# KiCad board IotThermalCamera.kicad_pcb (continued)
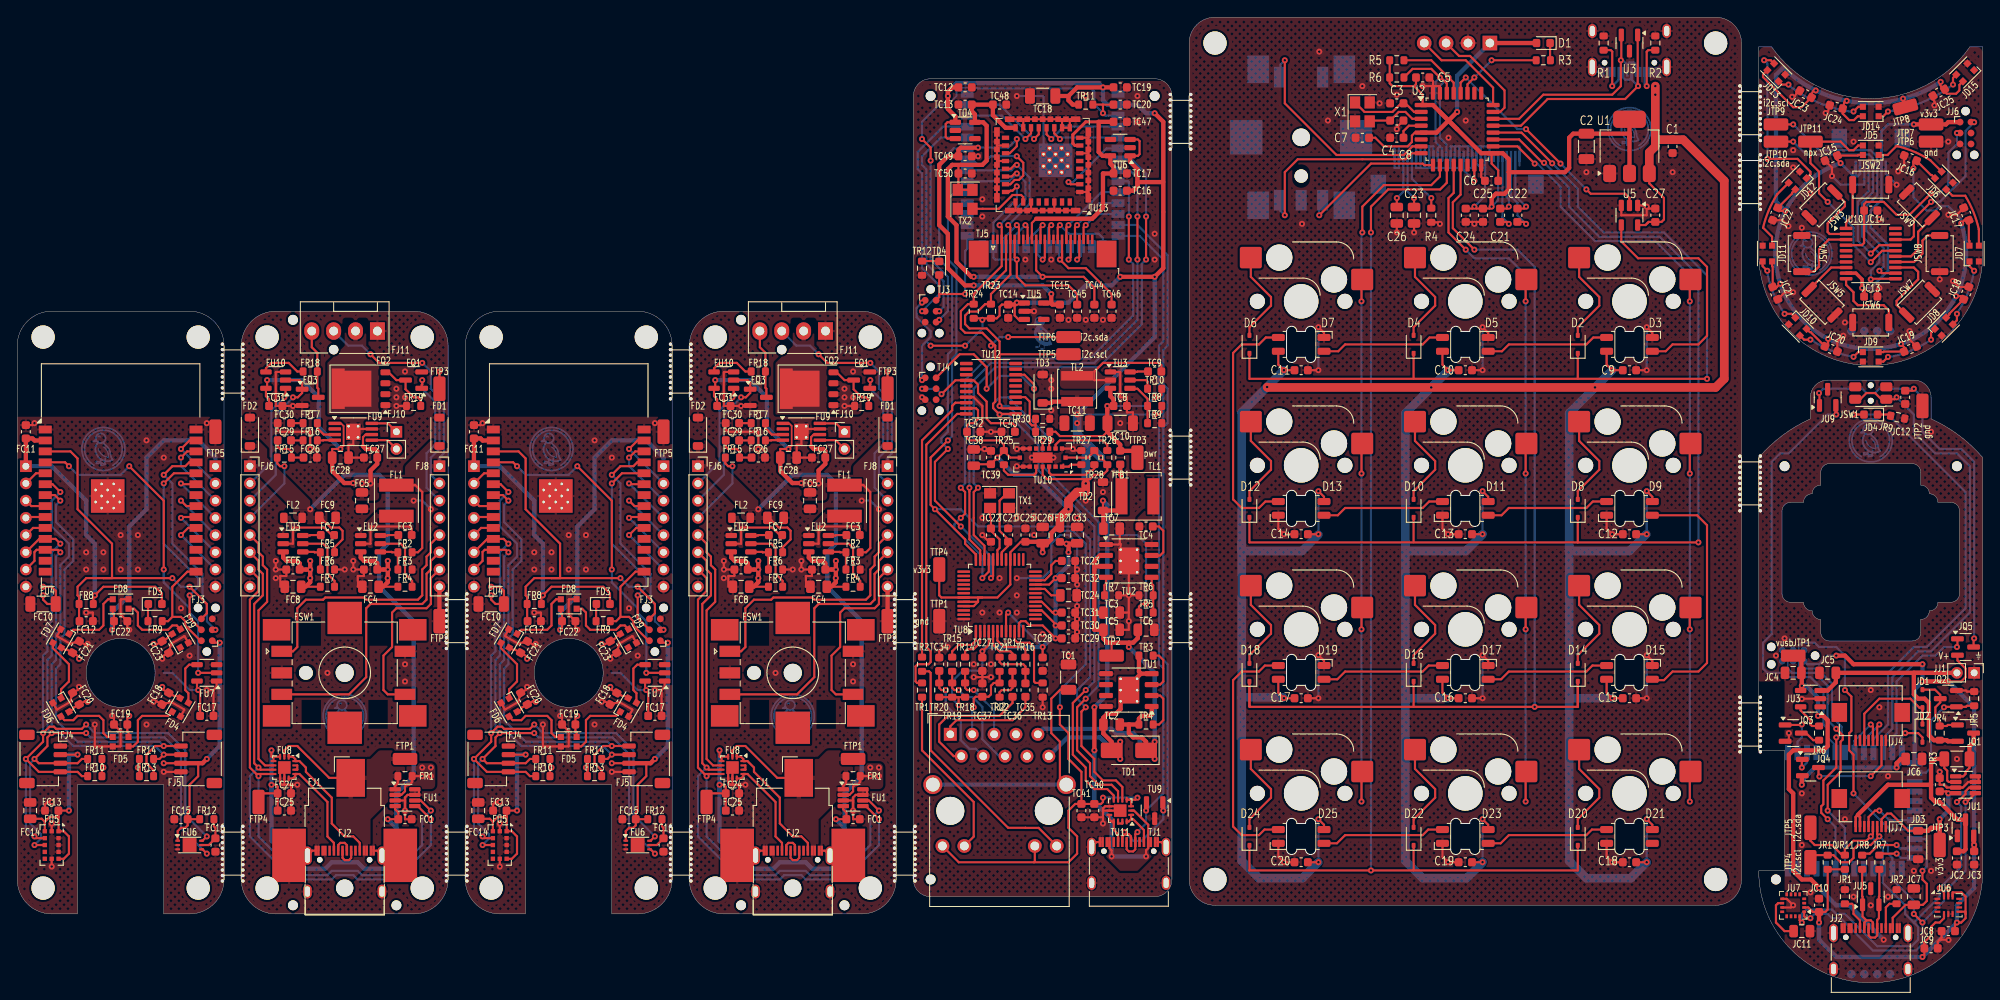
[diagram p0: board, top side]
## Footprints (pads in the part's own frame, mm; a bottom-side part is the same pattern mirrored in y, then rotated) (continued)
SOT-23-6
  rrect 1.325x0.6 smd: 1(-1.137,0.95) 2(-1.137,0) 3(-1.137,-0.95) 4(1.137,-0.95) 5(1.137,0) 6(1.137,0.95)
SOT-23-8
  rrect 1.325x0.5 smd: 1(-1.137,0.975) 2(-1.137,0.325) 3(-1.137,-0.325) 4(-1.137,-0.975) 5(1.137,-0.975) 6(1.137,-0.325) 7(1.137,0.325) 8(1.137,0.975)
SOT-223-3_TabPin2
  rrect 2x1.5 smd: 1(-3.15,2.3) 2(-3.15,0) 3(-3.15,-2.3)
  rrect 2x3.8 smd: 2(3.15,0)
ST_VL53L0X
  rect 0.5x0.5 smd: 1(-1.6,0.8) 2(-0.8,0.79) 3(0,0.8) 4(0.8,0.8) 5(1.6,0.8) 6(1.6,0) 7(1.6,-0.8) 8(0.8,-0.8) 9(0,-0.8) 10(-0.8,-0.8) 11(-1.6,-0.8) 12(-1.6,0)
ST_VL53L5x
  rect 0.2x0.6 smd: A1(-2.4,1)
  rect 0.5x0.5 smd: A1(-2.25,1.05) A2(-1.5,1.05) A3(-0.75,1.04) A4(0,1.05) A5(0.75,1.05) A6(1.5,1.05) A7(2.25,1.05) B1(-2.65,0) B7(2.65,0) C1(-2.25,-1.05) C2(-1.5,-1.05) C3(-0.75,-1.05) C4(0,-1.05) C5(0.75,-1.05) C6(1.5,-1.05) C7(2.25,-1.05)
  rect 2.316x1.2 smd: B4(0,0)
SW_Hotswap_Kailh_MX
  round 1.75 hole 1.75 unplated: (-5.08,0) (5.08,0)
  round 3.05 hole 3.05 unplated: (-3.81,2.54) (2.54,5.08)
  round 4 hole 4 unplated: (0,0)
  rrect 2.55x2.5 smd far side: 1(-7.085,2.54) 2(5.842,5.08)
SW_Push_SPST_NO_Alps_SKRK
  rrect 0.8x2 smd: 1(-2.1,0) 2(2.1,0)
SW_SPST_EVQP7C
  round 0.7 hole 0.7 unplated: (0,0.9) (0,-0.9)
  rrect 1.4x1.05 smd: 1(-1.8,0.72) 1(1.8,0.72) 2(-1.8,-0.72) 2(1.8,-0.72)
Symbol_DucklingSolid
  custom 2.401x3.952 smd: 1(0.333,1.928)
Tag-Connect_TC2030-IDC-NL_2x03_P1.27mm_Vertical
  round 0.991 hole 0.991 unplated: (-2.54,0) (2.54,1.016) (2.54,-1.016)
  round 0.787 smd: 1(-1.27,-0.635) 2(-1.27,0.635) 3(0,-0.635) 4(0,0.635) 5(1.27,-0.635) 6(1.27,0.635)
TE_2-1734839-4_1x24-1MP_P0.5mm_Horizontal
  rect 0.3x1.1 smd: 1(-5.75,1.35) 2(-5.25,1.35) 3(-4.75,1.35) 4(-4.25,1.35) 5(-3.75,1.35) 6(-3.25,1.35) 7(-2.75,1.35) 8(-2.25,1.35) 9(-1.75,1.35) 10(-1.25,1.35) 11(-0.75,1.35) 12(-0.25,1.35) 13(0.25,1.35) 14(0.75,1.35) 15(1.25,1.35) 16(1.75,1.35) 17(2.25,1.35) 18(2.75,1.35) 19(3.25,1.35) 20(3.75,1.35) 21(4.25,1.35) 22(4.75,1.35) 23(5.25,1.35) 24(5.75,1.35)
  rect 2.3x3.1 smd: MP(-7.42,-0.35) MP(7.42,-0.35)
TestPoint_TE_RCT_0805
  rrect 2.85x1.4 smd: 1(0,0)
TSSOP-20_4.4x6.5mm_P0.65mm
  rrect 1.475x0.4 smd: 1(-2.862,2.925) 2(-2.862,2.275) 3(-2.862,1.625) 4(-2.862,0.975) 5(-2.862,0.325) 6(-2.862,-0.325) 7(-2.862,-0.975) 8(-2.862,-1.625) 9(-2.862,-2.275) 10(-2.862,-2.925) 11(2.862,-2.925) 12(2.862,-2.275) 13(2.862,-1.625) 14(2.862,-0.975) 15(2.862,-0.325) 16(2.862,0.325) 17(2.862,0.975) 18(2.862,1.625) 19(2.862,2.275) 20(2.862,2.925)
USB_C_Receptacle_XKB_U262-16XN-4BVC11
  round 0.65 hole 0.65 unplated: (-2.89,2.605) (2.89,2.605)
  rect 0.3x1.15 smd: A1(-3.35,3.67) A4(-2.55,3.67) A5(-1.25,3.67) A6(-0.25,3.67) A7(0.25,3.67) A8(1.25,3.67) A9(2.55,3.67) A12(3.35,3.67) B1(3.05,3.67) B4(2.25,3.67) B5(1.75,3.67) B6(0.75,3.67) B7(-0.75,3.67) B8(-1.75,3.67) B9(-2.25,3.67) B12(-3.05,3.67)
  oval 1x2.1 hole 0.6x1.7: S1(-4.32,3.105) S1(4.32,3.105)
  oval 1x1.6 hole 0.6x1.2: S1(-4.32,-1.075) S1(4.32,-1.075)
WQFN-14-1EP_2.5x2.5mm_P0.5mm_EP1.45x1.45mm
  rrect 0.58x0.58 smd: (-0.36,0.36) (-0.36,-0.36) (0.36,0.36) (0.36,-0.36)
  rrect 0.675x0.25 smd: 1(-1.262,0.5) 2(-1.262,0) 3(-1.262,-0.5) 8(1.262,-0.5) 9(1.262,0) 10(1.262,0.5)
  rrect 0.25x0.675 smd: 4(-0.75,-1.262) 5(-0.25,-1.262) 6(0.25,-1.262) 7(0.75,-1.262) 11(0.75,1.262) 12(0.25,1.262) 13(-0.25,1.262) 14(-0.75,1.262)
  rect 1.45x1.45 smd: 15(0,0)

## Nets
enc.a: SW13.A U2.9
enc.b: SW13.B U2.8
enc.sw: SW13.S1 U2.7
Fcontrol.drv: FJ8.3 FJ8#2.3 FQ1.1 FQ1#2.1
Fcontrol.enc_a: FJ8.5 FJ8#2.5 FSW1.A FSW1#2.A
Fcontrol.enc_b: FJ8.6 FJ8#2.6 FSW1.B FSW1#2.B
Fcontrol.enc_sw: FJ8.7 FJ8#2.7 FSW1.S1 FSW1#2.S1
Fcontrol.extra1: FJ8.4 FJ8#2.4
Fcontrol.npx_en: FJ6.2 FJ6#2.2 FU10.1 FU10#2.1
Fcontrol.pd_int: FJ6.5 FJ6#2.5 FU8.5 FU8#2.5
Fcontrol.pwm: FJ6.3 FJ6#2.3 FQ3.1 FQ3#2.1 FU10.2 FU10#2.2
Fcontrol.spk: FJ6.4 FJ6#2.4 FR15.1 FR15#2.1
Fcontrol.tach: FJ8.2 FJ8#2.2 FJ11.3 FJ11#2.3
Fcontrol_control.als.ic.dvi: FC16.1 FC16#2.1 FR12.2 FR12#2.2 FU6.5 FU6#2.5
Fcontrol_control.dist.ic.gpio1: FU5.7 FU5#2.7
Fcontrol_control.drv: FJ9.3 FJ9#2.3 FU4.38 FU4#2.38
Fcontrol_control.enc_a: FJ9.5 FJ9#2.5 FU4.33 FU4#2.33
Fcontrol_control.enc_b: FJ9.6 FJ9#2.6 FU4.32 FU4#2.32
Fcontrol_control.enc_sw: FJ9.7 FJ9#2.7 FU4.31 FU4#2.31
Fcontrol_control.extra1: FJ9.4 FJ9#2.4 FU4.35 FU4#2.35
Fcontrol_control.gnd: FC10.2 FC10#2.2 FC11.2 FC11#2.2 FC12.2 FC12#2.2 FC13.2 FC13#2.2 FC14.2 FC14#2.2 FC15.2 FC15#2.2 FC16.2 FC16#2.2 FC17.2 FC17#2.2 FC18.2 FC18#2.2 FC19.2 FC19#2.2 FC20.2 FC20#2.2 FC21.2 FC21#2.2 FC22.2 FC22#2.2 FC23.2 FC23#2.2 FD4.2 FD4#2.2 FD5.2 FD5#2.2 FD6.2 FD6#2.2 FD7.2 FD7#2.2 FD8.2 FD8#2.2 FD9.2 FD9#2.2 FJ3.5 FJ3#2.5 FJ4.1 FJ4#2.1 FJ5.1 FJ5#2.1 FJ7.8 FJ7#2.8 FJ9.8 FJ9#2.8 FTP5.1 FTP5#2.1 FU4.1 FU4.40 FU4.41 FU4#2.1 FU4#2.40 FU4#2.41 FU5.2 FU5.3 FU5.4 FU5.6 FU5.12 FU5#2.2 FU5#2.3 FU5#2.4 FU5#2.6 FU5#2.12 FU6.2 FU6.3 FU6#2.2 FU6#2.3 FU7.1 FU7.3 FU7#2.1 FU7#2.3
Fcontrol_control.i2c2_pull.i2c.scl: FJ5.4 FJ5#2.4 FR13.2 FR13#2.2 FU4.7 FU4#2.7
Fcontrol_control.i2c2_pull.i2c.sda: FJ5.3 FJ5#2.3 FR14.2 FR14#2.2 FU4.6 FU4#2.6
Fcontrol_control.i2c.scl: FJ4.4 FJ4#2.4 FJ7.6 FJ7#2.6 FR10.2 FR10#2.2 FU4.11 FU4#2.11 FU5.10 FU5#2.10 FU6.6 FU6#2.6
Fcontrol_control.i2c.sda: FJ4.3 FJ4#2.3 FJ7.7 FJ7#2.7 FR11.2 FR11#2.2 FU4.12 FU4#2.12 FU5.9 FU5#2.9 FU6.4 FU6#2.4
Fcontrol_control.ledr.package.k: FD3.1 FD3#2.1 FR9.1 FR9#2.1
Fcontrol_control.mcu.program_boot_node: FJ3.2 FJ3#2.2 FR9.2 FR9#2.2 FU4.27 FU4#2.27
Fcontrol_control.mcu.program_en_node: FC12.1 FC12#2.1 FJ3.6 FJ3#2.6 FR8.2 FR8#2.2 FU4.3 FU4#2.3
Fcontrol_control.mcu.program_uart_node.a_tx: FJ3.4 FJ3#2.4 FU4.36 FU4#2.36
Fcontrol_control.mcu.program_uart_node.b_tx: FJ3.3 FJ3#2.3 FU4.37 FU4#2.37
Fcontrol_control.npx.dout: FD9.1 FD9#2.1
Fcontrol_control.npx.led[0].dout: FD4.1 FD4#2.1 FD5.3 FD5#2.3
Fcontrol_control.npx.led[1].dout: FD5.1 FD5#2.1 FD6.3 FD6#2.3
Fcontrol_control.npx.led[2].dout: FD6.1 FD6#2.1 FD7.3 FD7#2.3
Fcontrol_control.npx.led[3].dout: FD7.1 FD7#2.1 FD8.3 FD8#2.3
Fcontrol_control.npx.led[4].dout: FD8.1 FD8#2.1 FD9.3 FD9#2.3
Fcontrol_control.npx_en: FJ7.2 FJ7#2.2 FU4.5 FU4#2.5
Fcontrol_control.npx_shift.input: FU4.4 FU4#2.4 FU7.2 FU7#2.2
Fcontrol_control.npx_shift.output: FD4.3 FD4#2.3 FU7.4 FU7#2.4
Fcontrol_control.pd_int: FJ7.5 FJ7#2.5 FU4.10 FU4#2.10
Fcontrol_control.pwm: FJ7.3 FJ7#2.3 FU4.8 FU4#2.8
Fcontrol_control.spk: FJ7.4 FJ7#2.4 FU4.9 FU4#2.9
Fcontrol_control.tach: FJ9.2 FJ9#2.2 FU4.39 FU4#2.39
Fcontrol_control.v3v3: FC10.1 FC10#2.1 FC11.1 FC11#2.1 FC13.1 FC13#2.1 FC14.1 FC14#2.1 FC15.1 FC15#2.1 FD3.2 FD3#2.2 FJ3.1 FJ3#2.1 FJ4.2 FJ4#2.2 FJ5.2 FJ5#2.2 FJ7.1 FJ7#2.1 FR8.1 FR8#2.1 FR10.1 FR10#2.1 FR11.1 FR11#2.1 FR12.1 FR12#2.1 FR13.1 FR13#2.1 FR14.1 FR14#2.1 FU4.2 FU4#2.2 FU5.1 FU5.5 FU5.11 FU5#2.1 FU5#2.5 FU5#2.11 FU6.1 FU6#2.1
Fcontrol_control.v5: FC17.1 FC17#2.1 FC18.1 FC18#2.1 FC19.1 FC19#2.1 FC20.1 FC20#2.1 FC21.1 FC21#2.1 FC22.1 FC22#2.1 FC23.1 FC23#2.1 FD4.4 FD4#2.4 FD5.4 FD5#2.4 FD6.4 FD6#2.4 FD7.4 FD7#2.4 FD8.4 FD8#2.4 FD9.4 FD9#2.4 FJ9.1 FJ9#2.1 FU7.5 FU7#2.5
Ffan.pwr: FJ11.2 FJ11#2.2 FQ2.5 FQ2#2.5
Ffan_drv.pre.drain: FQ1.3 FQ1#2.3 FQ2.4 FQ2#2.4 FR19.2 FR19#2.2
Fgnd: FC1.2 FC1#2.2 FC2.2 FC2#2.2 FC4.2 FC4#2.2 FC5.2 FC5#2.2 FC6.2 FC6#2.2 FC8.2 FC8#2.2 FC9.2 FC9#2.2 FC24.2 FC24#2.2 FC25.2 FC25#2.2 FC26.2 FC26#2.2 FC27.2 FC27#2.2 FC28.2 FC28#2.2 FC30.2 FC30#2.2 FC31.2 FC31#2.2 FD1.2 FD1#2.2 FD2.2 FD2#2.2 FJ1.2 FJ1#2.2 FJ2.A1 FJ2.A12 FJ2.B1 FJ2.B12 FJ2.S1 FJ2#2.A1 FJ2#2.A12 FJ2#2.B1 FJ2#2.B12 FJ2#2.S1 FJ6.8 FJ6#2.8 FJ8.8 FJ8#2.8 FJ11.1 FJ11#2.1 FQ1.2 FQ1#2.2 FQ3.2 FQ3#2.2 FR3.2 FR3#2.2 FR6.2 FR6#2.2 FSW1.C FSW1.S2 FSW1#2.C FSW1#2.S2 FTP2.1 FTP2#2.1 FU1.3 FU1.7 FU1.8 FU1#2.3 FU1#2.7 FU1#2.8 FU2.1 FU2#2.1 FU3.1 FU3#2.1 FU8.8 FU8.9 FU8.15 FU8#2.8 FU8#2.9 FU8#2.15 FU9.7 FU9.9 FU9#2.7 FU9#2.9 FU10.3 FU10#2.3
Fnpx_res.output: FJ11.4 FJ11#2.4 FQ3.3 FQ3#2.3 FR18.2 FR18#2.2
Fnpx_shift.output: FR18.1 FR18#2.1 FU10.4 FU10#2.4
Fpd.ic.vconn: FU8.12 FU8.13 FU8#2.12 FU8#2.13
Fpwr.pwr: FJ1.1 FJ1#2.1 FJ2.A4 FJ2.A9 FJ2.B4 FJ2.B9 FJ2#2.A4 FJ2#2.A9 FJ2#2.B4 FJ2#2.B9 FR1.1 FR1#2.1 FTP1.1 FTP1#2.1 FU1.1 FU1#2.1 FU8.2 FU8#2.2
Freg_3v3.ic.boot: FC7.1 FC7#2.1 FU3.6 FU3#2.6
Freg_3v3.ic.en: FR7.2 FR7#2.2 FU3.5 FU3#2.5
Freg_3v3.ic.fb: FR5.2 FR5#2.2 FR6.1 FR6#2.1 FU3.4 FU3#2.4
Freg_3v3.ic.sw: FC7.2 FC7#2.2 FL2.1 FL2#2.1 FU3.2 FU3#2.2
Freg_5v.ic.boot: FC3.1 FC3#2.1 FU2.6 FU2#2.6
Freg_5v.ic.en: FR4.2 FR4#2.2 FU2.5 FU2#2.5
Freg_5v.ic.fb: FR2.2 FR2#2.2 FR3.1 FR3#2.1 FU2.4 FU2#2.4
Freg_5v.ic.sw: FC3.2 FC3#2.2 FL1.1 FL1#2.1 FU2.2 FU2#2.2
Fspk_dac.output: FC26.1 FC26#2.1 FC29.2 FC29#2.2 FR15.2 FR15#2.2
Fspk_drv.ic.inn: FR17.2 FR17#2.2 FU9.3 FU9#2.3
Fspk_drv.ic.inp: FR16.2 FR16#2.2 FU9.4 FU9#2.4
Fspk_drv.inn_res.input: FC30.1 FC30#2.1 FR17.1 FR17#2.1
Fspk_drv.inp_res.input: FC29.1 FC29#2.1 FR16.1 FR16#2.1
Fspk_drv.spk.a: FJ10.1 FJ10#2.1 FU9.8 FU9#2.8
Fspk_drv.spk.b: FJ10.2 FJ10#2.2 FU9.5 FU9#2.5
Fusb.cc.cc1: FJ2.A5 FJ2#2.A5 FU8.10 FU8.11 FU8#2.10 FU8#2.11
Fusb.cc.cc2: FJ2.B5 FJ2#2.B5 FU8.1 FU8.14 FU8#2.1 FU8#2.14
Fusb.usb.dm: FJ2.A7 FJ2.B7 FJ2#2.A7 FJ2#2.B7
Fusb.usb.dp: FJ2.A6 FJ2.B6 FJ2#2.A6 FJ2#2.B6
Fv3v3: FC1.1 FC1#2.1 FC9.1 FC9#2.1 FC24.1 FC24#2.1 FC25.1 FC25#2.1 FD2.1 FD2#2.1 FJ6.1 FJ6#2.1 FL2.2 FL2#2.2 FR5.1 FR5#2.1 FTP4.1 FTP4#2.1 FU1.4 FU1#2.4 FU8.3 FU8.4 FU8#2.3 FU8#2.4
Fv5: FC5.1 FC5#2.1 FC6.1 FC6#2.1 FC8.1 FC8#2.1 FC27.1 FC27#2.1 FC28.1 FC28#2.1 FC31.1 FC31#2.1 FD1.1 FD1#2.1 FJ8.1 FJ8#2.1 FL1.2 FL1#2.2 FR2.1 FR2#2.1 FR7.1 FR7#2.1 FTP3.1 FTP3#2.1 FU3.3 FU3#2.3 FU9.1 FU9.6 FU9#2.1 FU9#2.6 FU10.5 FU10#2.5
Fvin: FC2.1 FC2#2.1 FC4.1 FC4#2.1 FQ2.1 FQ2.2 FQ2.3 FQ2#2.1 FQ2#2.2 FQ2#2.3 FR1.2 FR1#2.2 FR4.1 FR4#2.1 FR19.1 FR19#2.1 FU1.2 FU1#2.2 FU2.3 FU2#2.3
Fvin_sense.i2c.scl: FJ6.6 FJ6#2.6 FU1.5 FU1#2.5 FU8.6 FU8#2.6
Fvin_sense.i2c.sda: FJ6.7 FJ6#2.7 FU1.6 FU1#2.6 FU8.7 FU8#2.7
Jbtns.io0: JJ7.5 JU4.20
Jbtns_btns.gnd: JC13.2 JC14.2 JC15.2 JC16.2 JC17.2 JC18.2 JC19.2 JC20.2 JC21.2 JC22.2 JC23.2 JC24.2 JC25.2 JD5.2 JD6.2 JD7.2 JD8.2 JD9.2 JD10.2 JD11.2 JD12.2 JD13.2 JD14.2 JD15.2 JJ6.5 JJ8.3 JJ8.8 JSW2.2 JSW3.2 JSW4.2 JSW5.2 JSW6.2 JSW7.2 JSW8.2 JSW9.2 JTP6.1 JU10.7
Jbtns_btns.i2c.scl: JJ8.6 JTP9.1 JU10.12
Jbtns_btns.i2c.sda: JJ8.5 JTP10.1 JU10.11
Jbtns_btns.io0: JJ8.4 JU10.17
Jbtns_btns.ioe.ic.nrst: JC14.1 JJ6.3 JU10.4
Jbtns_btns.ioe.ic.osc.xtal_in: JU10.5
Jbtns_btns.ioe.ic.osc.xtal_out: JU10.6
Jbtns_btns.ioe.ic.swio: JJ6.2 JU10.18
Jbtns_btns.npx_dpad.dout: JD12.1 JD13.3
Jbtns_btns.npx_dpad.led[0].dout: JD5.1 JD6.3
Jbtns_btns.npx_dpad.led[1].dout: JD6.1 JD7.3
Jbtns_btns.npx_dpad.led[2].dout: JD7.1 JD8.3
Jbtns_btns.npx_dpad.led[3].dout: JD8.1 JD9.3
Jbtns_btns.npx_dpad.led[4].dout: JD9.1 JD10.3
Jbtns_btns.npx_dpad.led[5].dout: JD10.1 JD11.3
Jbtns_btns.npx_dpad.led[6].dout: JD11.1 JD12.3
Jbtns_btns.npx_js.dout: JD15.1
Jbtns_btns.npx_js.led[0].dout: JD13.1 JD14.3
Jbtns_btns.npx_js.led[1].dout: JD14.1 JD15.3
Jbtns_btns.npx_tp.io: JD5.3 JTP11.1 JU10.16
Jbtns_btns.pwr: JC13.1 JJ6.1 JJ8.7 JTP7.1 JU10.9
Jbtns_btns.sw[0].out: JSW2.1 JU10.1
Jbtns_btns.sw[1].out: JSW3.1 JU10.2
Jbtns_btns.sw[2].out: JSW4.1 JU10.3
Jbtns_btns.sw[3].out: JSW5.1 JU10.8
Jbtns_btns.sw[4].out: JSW6.1 JU10.10
Jbtns_btns.sw[5].out: JSW7.1 JU10.13
Jbtns_btns.sw[6].out: JSW8.1 JU10.14
Jbtns_btns.sw[7].out: JSW9.1 JU10.15
Jbtns_btns.vbat: JC15.1 JC16.1 JC17.1 JC18.1 JC19.1 JC20.1 JC21.1 JC22.1 JC23.1 JC24.1 JC25.1 JD5.4 JD6.4 JD7.4 JD8.4 JD9.4 JD10.4 JD11.4 JD12.4 JD13.4 JD14.4 JD15.4 JJ8.1 JJ8.2 JTP8.1
Jbumper_sw.out: JSW1.1 JU4.11
Jchg.ic.prog: JR6.2 JU3.5
Jchg.prog_ctl: JQ3.1 JU4.2
Jchg.prog_res.gnd: JQ3.3 JR6.1
Jchg.stat: JU3.1
Jgate.btn_in: JD1.1 JD2.1 JJ4.6
Jgate.btn_out: JD2.2 JU4.13
Jgate.control: JQ2.1 JR5.2 JU4.15
Jgate.pull_res.b: JD1.2 JQ1.1 JQ2.3 JR4.2
Jgnd: JC1.2 JC2.2 JC3.2 JC4.2 JC5.2 JC6.2 JC7.2 JC8.2 JC9.2 JC10.2 JC11.2 JC12.2 JD3.2 JJ1.1 JJ2.A1 JJ2.A12 JJ2.B1 JJ2.B12 JJ2.S1 JJ3.5 JJ4.1 JJ4.8 JJ7.1 JJ7.6 JQ2.2 JQ3.2 JR1.1 JR2.1 JR5.1 JR9.2 JSW1.2 JTP2.1 JU1.3 JU1.7 JU1.8 JU2.1 JU3.2 JU4.1 JU4.25 JU4.37 JU5.3 JU6.1 JU6.2 JU6.3 JU6.6 JU6.7 JU7.9 JU7.11 JU9.3
Jimu.int1: JU6.4
Jimu.int2: JU6.9
Jledr.package.k: JD4.1 JR9.1
Jledr.signal: JD4.2 JU4.10
Jmag.ic.c1: JC11.1 JU7.10
Jmcu.reset_node: JJ3.3 JU4.21
Jmcu.swd.swo: JJ3.6
Jmcu.swd_node.swclk: JJ3.4 JU4.31
Jmcu.swd_node.swdio: JJ3.2 JU4.32
Jmcu.usb_res.interior.dm: JR8.2 JU4.23
Jmcu.usb_res.interior.dp: JR7.2 JU4.24
Jstick.ax1: JJ4.4 JU4.8
Jstick.ax2: JJ4.3 JU4.9
Jstick.pwr: JJ4.2 JQ4.3
Jstick_gate.control: JQ4.1 JU4.3
Jtrig.out: JU4.6 JU9.2
Jtrig.pwr: JC12.1 JQ5.3 JU9.1
Jtrig_gate.control: JQ5.1 JU4.12
Jusb.conn.cc.cc1: JJ2.A5 JR1.2
Jusb.conn.cc.cc2: JJ2.B5 JR2.2
Jusb_chain_0.d_N: JJ2.A7 JJ2.B7 JR8.1 JU5.1
Jusb_chain_0.d_P: JJ2.A6 JJ2.B6 JR7.1 JU5.2
Jv3v3: JC1.1 JC3.1 JC6.1 JC8.1 JC9.1 JC10.1 JD3.1 JJ3.1 JJ7.2 JQ4.2 JQ5.2 JR10.1 JR11.1 JTP3.1 JU1.4 JU2.2 JU4.14 JU6.5 JU6.8 JU6.12 JU7.2
Jvbat: JC5.1 JJ1.2 JQ1.2 JR4.1 JU3.3
Jvbat_gated: JC2.1 JJ7.7 JJ7.8 JR3.2 JU1.2 JU2.3
Jvbat_sense.i2c.scl: JJ7.3 JR10.2 JTP4.1 JU1.5 JU4.26 JU6.13 JU7.1
Jvbat_sense.i2c.sda: JJ7.4 JR11.2 JTP5.1 JU1.6 JU4.27 JU6.14 JU7.16
Jvbat_sense.sense_pwr_in: JQ1.3 JR3.1 JU1.1
Jvusb: JC4.1 JC7.1 JJ2.A4 JJ2.A9 JJ2.B4 JJ2.B9 JTP1.1 JU3.4 JU4.22
ledr.package.k: D1.1 R3.1
ledr.signal: R3.2 U2.27
mcu.gpio.sw_col_0: SW1.1 SW4.1 SW7.1 SW10.1 U2.18
mcu.gpio.sw_col_1: SW2.1 SW5.1 SW8.1 SW11.1 U2.12
mcu.gpio.sw_col_2: SW3.1 SW6.1 SW9.1 SW12.1 U2.10
mcu.gpio.sw_row_0: D2.1 D4.1 D6.1 U2.20
mcu.gpio.sw_row_1: D8.1 D10.1 D12.1 U2.19
mcu.gpio.sw_row_2: D14.1 D16.1 D18.1 U2.13
mcu.gpio.sw_row_3: D20.1 D22.1 D24.1 U2.11
mcu.ic.nrst: C8.1 U2.4
mcu.ic.swclk: J2.4 U2.24
mcu.ic.swdio: J2.3 U2.23
mcu.xtal_node.xi: C3.1 U2.2 X1.1
mcu.xtal_node.xo: C4.1 U2.3 X1.3
npx_shift.input: U2.28 U5.2
oled.device.c1n: C21.2 J3.5
oled.device.c1p: C21.1 J3.4
oled.device.c2n: C22.2 J3.3
oled.device.c2p: C22.1 J3.2
oled.device.iref: J3.26 R4.2
oled.device.vcc: C26.1 J3.28
oled.device.vcomh: C23.1 J3.27
oled.i2c.scl: J3.18 R5.2 U2.29
oled.i2c.sda: J3.19 J3.20 R6.2 U2.30
oled.reset: J3.14 U2.15
reg.pwr_out: C2.1 C5.1 C6.1 C7.1 C24.1 C25.1 D1.2 J2.1 J3.6 J3.9 J3.11 R5.1 R6.1 U1.2 U2.1 U2.5 U2.17
sw.npx_din: D3.4 U5.4
sw.npx_dout: D21.2
sw.sw[0,0].npx_dout: D3.2 D5.4
sw.sw[0,0].sw.com: D2.2 SW1.2
sw.sw[0,1].npx_din: D9.4 D11.2
sw.sw[0,1].npx_dout: D9.2 D15.4
sw.sw[0,1].sw.com: D8.2 SW4.2
sw.sw[0,2].npx_dout: D15.2 D17.4
sw.sw[0,2].sw.com: D14.2 SW7.2
sw.sw[0,3].npx_din: D21.4 D23.2
sw.sw[0,3].sw.com: D20.2 SW10.2
sw.sw[1,0].npx_dout: D5.2 D7.4
sw.sw[1,0].sw.com: D4.2 SW2.2
sw.sw[1,1].npx_din: D11.4 D13.2
sw.sw[1,1].sw.com: D10.2 SW5.2
sw.sw[1,2].npx_dout: D17.2 D19.4
sw.sw[1,2].sw.com: D16.2 SW8.2
sw.sw[1,3].npx_din: D23.4 D25.2
sw.sw[1,3].sw.com: D22.2 SW11.2
sw.sw[2,0].npx_dout: D7.2 D13.4
sw.sw[2,0].sw.com: D6.2 SW3.2
sw.sw[2,1].sw.com: D12.2 SW6.2
sw.sw[2,2].npx_dout: D19.2 D25.4
sw.sw[2,2].sw.com: D18.2 SW9.2
sw.sw[2,3].sw.com: D24.2 SW12.2
Tcam.device.y.0: TJ5.24
Tcam.device.y.1: TJ5.23
Tcam.dvp8.href: TJ5.9 TU7#2.23
Tcam.dvp8.pclk: TC46.1 TJ5.17 TU7#2.19
Tcam.dvp8.vsync: TJ5.7 TU7#2.24
Tcam.dvp8.xclk: TJ5.13 TU7#2.21
Tcam.dvp8.y0: TJ5.19 TU7#2.18
Tcam.dvp8.y1: TJ5.21 TU7#2.17
Tcam.dvp8.y2: TJ5.22 TU7#2.12
Tcam.dvp8.y3: TJ5.20 TU7#2.11
Tcam.dvp8.y4: TJ5.18 TU7#2.10
Tcam.dvp8.y5: TJ5.16 TU7#2.15
Tcam.dvp8.y6: TJ5.14 TU7#2.20
Tcam.dvp8.y7: TJ5.12 TU7#2.22
Tcam.reset: TC45.1 TJ5.6 TU7#2.25 TU13.24
Tdist.ic.i2c_rst: TR27.2 TU10.A1
Tdist.ic.int: TR28.2 TU10.A3
Tdist.ic.lpn: TR25.2 TU10.A5
Tdist.ic.rsvd6: TR26.2 TU10.C2
Teth.conn.led_grn_cathode: TJ2.14 TR2.1
Teth.conn.led_yel_cathode: TJ2.12 TR1.1
Teth.conn.shield: TC1.1 TJ2.SH
Teth.eth.rx.center: TC37.1 TJ2.3 TR21.2 TR22.2
Teth.eth.rx.neg: TC36.1 TJ2.2
Teth.eth.rx.pos: TC35.1 TJ2.1
Teth.eth.tx.center: TC34.1 TJ2.4 TR20.2
Teth.eth.tx.neg: TJ2.6 TR15.2 TR19.2
Teth.eth.tx.pos: TJ2.5 TR14.2 TR18.2
Teth.led_grn_sink: TR2.2 TU12.8
Teth.led_yel_sink: TR1.2 TU12.10
Teth.poe.neg: TJ2.10 TJP2.1
Teth.poe.pos: TJ2.9 TJP1.1
Tflir.cs: TU7#2.38 TU13.14
Tflir.ic.master_clk: TU13.26 TX2.3
Tflir.shutdown: TU7#2.34 TU13.23
Tflir.spi.miso: TU7#2.4 TU13.12
Tflir.spi.mosi: TU7#2.5 TU13.11
Tflir.spi.sck: TU7#2.39 TU13.13
Tflir.vsync: TU7#2.6 TU13.2
Tgnd: TC1.2 TC3.2 TC5.2 TC6.2 TC7.2 TC8.2 TC10.2 TC11.2 TC12.2 TC13.2 TC14.2 TC15.2 TC16.2 TC17.2 TC18.2 TC19.2 TC20.2 TC21.2 TC22.2 TC23.2 TC24.2 TC25.2 TC26.2 TC27.2 TC28.2 TC29.2 TC30.2 TC31.2 TC32.2 TC33.2 TC34.2 TC37.2 TC38.2 TC39.2 TC40.2 TC41.2 TC42.2 TC43.2 TC44.2 TC45.2 TC46.2 TC47.2 TC48.2 TC49.2 TC50.2 TD2.2 TD3.2 TJ1.A1 TJ1.A12 TJ1.B1 TJ1.B12 TJ1.S1 TJ3.5 TJ4.5 TJ5.2 TJ5.8 TJ5.15 TR6.2 TR7.1 TR9.2 TR12.2 TR13.1 TR27.1 TR30.2 TTP1.1 TU1.5 TU1.8 TU2.1 TU2.9 TU3.1 TU4.2 TU5.2 TU6.2 TU7#2.1 TU7#2.40 TU7#2.41 TU8.3 TU8.9 TU8.14 TU8.16 TU8.19 TU8.23 TU8.29 TU8.48 TU9.3 TU10.A2 TU10.A6 TU10.A7 TU10.B4 TU10.C1 TU10.C6 TU10.C7 TU11.8 TU11.9 TU11.15 TU12.7 TU13.1 TU13.6 TU13.8 TU13.9 TU13.10 TU13.15 TU13.18 TU13.20 TU13.25 TU13.27 TU13.30 TU13.33 TX1.2 TX1.4 TX2.2
Ti2c_chain_0.scl: TJ5.5 TR23.2 TTP5.1 TU7#2.33 TU10.C4 TU11.6 TU12.12 TU13.21
Ti2c_chain_0.sda: TJ5.3 TR24.2 TTP6.1 TU7#2.32 TU10.C3 TU11.7 TU12.11 TU13.22
Tioe.ic.nrst: TC43.1 TJ4.3 TU12.4
Tioe.ic.osc.xtal_in: TU12.5
Tioe.ic.osc.xtal_out: TU12.6
Tioe.ic.swio: TJ4.2 TU12.18
Tledr.package.k: TD4.1 TR12.1
Tmcu.program_boot_node: TD4.2 TJ3.2 TU7#2.27
Tmcu.program_en_node: TC20.1 TJ3.6 TR11.2 TU7#2.3
Tmcu.program_uart_node.a_tx: TJ3.4 TU7#2.36
Tmcu.program_uart_node.b_tx: TJ3.3 TU7#2.37
Tpd.ic.vconn: TU11.12 TU11.13
Tphy.cs: TU7#2.35 TU8.32
Tphy.ic.avdd: TC27.1 TC28.1 TC29.1 TC30.1 TC31.1 TC32.1 TC33.1 TFB2.2 TR18.1 TR19.1 TR20.1 TU8.4 TU8.8 TU8.11 TU8.15 TU8.17 TU8.21
Tphy.ic.crystal.xtal_in: TC21.1 TU8.30 TX1.1
Tphy.ic.crystal.xtal_out: TC22.1 TU8.31 TX1.3
Tphy.ic.exres1: TR13.2 TU8.10
Tphy.ic.rxn: TR17.1 TU8.5
Tphy.ic.rxp: TR16.1 TU8.6
Tphy.ic.tocap: TC24.1 TU8.20
Tphy.ic.txn: TR15.1 TU8.1
Tphy.ic.txp: TR14.1 TU8.2
Tphy.ic.v1v20: TC23.1 TU8.22
Tphy.int: TU7#2.31 TU8.36 TU11.5
Tphy.reset: TU8.37
Tphy.rxn_damp.b: TC36.2 TR17.2 TR22.1
Tphy.rxp_damp.b: TC35.2 TR16.2 TR21.1
Tphy.spi.miso: TU7#2.7 TU8.34
Tphy.spi.mosi: TU7#2.8 TU8.35
Tphy.spi.sck: TU7#2.9 TU8.33
Tpoe.cdb: TU1.6
Tpoe.ic.cls: TR3.2 TU1.3
Tpoe.ic.den: TR4.2 TU1.2
Tpoe.poe.neg: TC2.2 TD1.2 TJP2.2 TR3.1 TU1.4 TU1.9
Tpoe.pwr_out: TC2.1 TC3.1 TC5.1 TC6.1 TD1.1 TJP1.2 TR4.1 TTP2.1 TU1.1 TU2.2 TU2.3
Tpoe.t2p: TU1.7
Tpoe_sense.output: TR29.2 TR30.1 TU12.14
Tpwr: TC8.1 TC10.1 TFB1.2 TR10.1 TR29.1 TTP3.1 TU3.3
Treg_3v3.ic.boot: TC9.1 TU3.6
Treg_3v3.ic.en: TR10.2 TU3.5
Treg_3v3.ic.fb: TR8.2 TR9.1 TU3.4
Treg_3v3.ic.sw: TC9.2 TL2.1 TU3.2
Treg_poe.ic.boot: TC4.1 TU2.7
Treg_poe.ic.fb: TR5.2 TR6.1 TU2.5
Treg_poe.ic.rt: TR7.2 TU2.4
Treg_poe.ic.sw: TC4.2 TL1.1 TU2.8
Treg_poe.pg: TU2.6
Ttouch_duck.pad: TU7.1
Tusb.cc.cc1: TJ1.A5 TU11.10 TU11.11
Tusb.cc.cc2: TJ1.B5 TU11.1 TU11.14
Tusb.pwr: TC7.1 TD2.1 TFB1.1 TJ1.A4 TJ1.A9 TJ1.B4 TJ1.B9 TL1.2 TR5.1 TU11.2
Tusb_chain_0.d_N: TJ1.A7 TJ1.B7 TU7#2.13 TU9.1
Tusb_chain_0.d_P: TJ1.A6 TJ1.B6 TU7#2.14 TU9.2
Tv1v2: TC17.1 TC47.1 TJ5.10 TU6.5 TU13.7
Tv2v8: TC15.1 TC49.1 TJ5.4 TU5.5 TU13.19
Tv3v0: TC13.1 TC44.1 TC48.1 TC50.1 TJ5.11 TU4.5 TU13.16 TX2.1 TX2.4
Tv3v3: TC11.1 TC12.1 TC14.1 TC16.1 TC18.1 TC19.1 TC25.1 TC26.1 TC38.1 TC39.1 TC40.1 TC41.1 TC42.1 TD3.1 TFB2.1 TJ2.11 TJ2.13 TJ3.1 TJ4.1 TL2.2 TR8.1 TR11.1 TR23.1 TR24.1 TR25.1 TR26.1 TR28.1 TTP4.1 TU4.1 TU4.3 TU5.1 TU5.3 TU6.1 TU6.3 TU7#2.2 TU8.28 TU8.43 TU8.44 TU8.45 TU10.A4 TU10.B1 TU10.B7 TU11.3 TU11.4 TU12.9
usb.conn.cc.cc1: J1.A5 R1.2
usb.conn.cc.cc2: J1.B5 R2.2
usb.gnd: C1.2 C2.2 C3.2 C4.2 C5.2 C6.2 C7.2 C8.2 C9.2 C10.2 C11.2 C12.2 C13.2 C14.2 C15.2 C16.2 C17.2 C18.2 C19.2 C20.2 C23.2 C24.2 C25.2 C26.2 C27.2 D3.3 D5.3 D7.3 D9.3 D11.3 D13.3 D15.3 D17.3 D19.3 D21.3 D23.3 D25.3 J1.A1 J1.A12 J1.B1 J1.B12 J1.S1 J2.2 J3.1 J3.8 J3.10 J3.12 J3.13 J3.15 J3.16 J3.17 J3.21 J3.22 J3.23 J3.24 J3.25 J3.29 J3.30 R1.1 R2.1 R4.1 SW13.C SW13.S2 U1.1 U2.16 U2.31 U2.32 U3.3 U5.1 U5.3 X1.2 X1.4
usb.pwr: C1.1 C9.1 C10.1 C11.1 C12.1 C13.1 C14.1 C15.1 C16.1 C17.1 C18.1 C19.1 C20.1 C27.1 D3.1 D5.1 D7.1 D9.1 D11.1 D13.1 D15.1 D17.1 D19.1 D21.1 D23.1 D25.1 J1.A4 J1.A9 J1.B4 J1.B9 U1.3 U5.5
usb.usb.dm: J1.A7 J1.B7 U2.21 U3.1
usb.usb.dp: J1.A6 J1.B6 U2.22 U3.2

Pads without a net: FJ1 3; FJ1#2 3; FJ2 A8 B8; FJ2#2 A8 B8; FJ4 MP; FJ4#2 MP; FJ5 MP; FJ5#2 MP; FSW1 MP; FSW1#2 MP; FU4 13 14 28 29 30 34; FU4#2 13 14 28 29 30 34; FU5 8; FU5#2 8; FU6 7; FU6#2 7; FU9 2; FU9#2 2; J1 A8 B8; J3 7 MP; JJ2 A8 B8; JJ4 5 7 MP; JJ6 4 6; JJ7 MP; JJ8 MP; JU4 4 5 7 16 17 18 19 28 29 30 33 34 35 36; JU6 10 11; JU7 3 4 5 6 7 8 12 13 14 15; JU10 19 20; SW13 MP; TJ1 A8 B8; TJ2 7 8; TJ4 4 6; TJ5 1 MP; TU4 4; TU5 4; TU6 4; TU7#2 16 26 28 29 30; TU8 7 12 13 18 24 25 26 27 38 39 40 41 42 46 47; TU10 C5; TU12 1 2 3 13 15 16 17 19 20; TU13 3 4 5 17 28 29 31 32; U2 6 14 25 26

## Via types
v1: diameter 0.7, hole 0.3, Front to Back, 673 vias

## Routing (per net, layer and track width the routed paths; a pad name or vN(x,y) marks a point on that pad's centre or on a via; arc(x,y) is an arc through that point)
enc.a: length 17.7
  Front w0.25: U2.9 163.28,94.97 163.1,95.15 157.1,95.15 v1(151.1,89.15)
  Back w0.25: v1(151.1,89.15) 151.1,90.5 SW13.A
enc.b: length 22.9
  Front w0.25: U2.8 161.8,96.35 161.1,95.65 148.6,95.65 147.1,94.15 v1(147.1,89.15)
  Back w0.25: v1(147.1,89.15) 146.6,89.65 146.6,90.15
enc.sw: length 24.9
  Front w0.25: U2.7 161.92,97.15 160.92,96.15 153.1,96.15 147.1,102.15 v1(147.1,107.15)
  Back w0.25: 146.6,106.15 146.6,106.65 v1(147.1,107.15)
Fcontrol.drv: length 33.3
  Front w0.25: FQ1#2.1 98.94,69.44 99,69.5 v1(99,70) ; v1(47,70) 47,69.5 46.94,69.44 FQ1.1
  Back w0.25: FJ8#2.3 47.5,57.5 47.5,61.5 48.5,62.5 48.5,67.5 47,69 v1(47,70) ; v1(99,70) 99,69 100.5,67.5 100.5,62.5 99.5,61.5 99.5,57.5 FJ8.3
Fcontrol.enc_a: length 59.3
  Front w0.25: FJ8.5 100,51 100,50 99.5,49.5 99.5,48.5 99,48 99,45 98.5,44.5 92.5,44.5 92.25,44.75 87.75,44.75 87.5,44.5 85.5,44.5 84.5,43.5 84.5,39 84,38.5 FSW1#2.A ; FJ8#2.5 48,51 48,50 47.5,49.5 47.5,48.5 47,48 47,45 46.5,44.5 40.5,44.5 40.25,44.75 35.75,44.75 35.5,44.5 33.5,44.5 32.5,43.5 32.5,39 32,38.5 FSW1.A
Fcontrol.enc_b: length 64.3
  Front w0.25: FSW1#2.B 90.5,33.5 92.5,35.5 92.5,43.5 93,44 99,44 99.5,44.5 99.5,47.5 100,48 100,49 FJ8.6 ; FSW1.B 38.5,33.5 40.5,35.5 40.5,43.5 41,44 47,44 47.5,44.5 47.5,47.5 48,48 48,49 FJ8#2.6
Fcontrol.enc_sw: length 42.9
  Front w0.25: FJ8#2.7 48,47 48,44 47.5,43.5 44,43.5 43.5,43 43.5,39 42.5,38 42.5,34 43,33.5 FSW1.S1 ; FSW1#2.S1 95,33.5 94.5,34 94.5,38 95.5,39 95.5,43 96,43.5 99.5,43.5 100,44 100,47 FJ8.7
Fcontrol.npx_en: length 25.5
  Front w0.25: FU10#2.1 83.14,68.36 83,68.22 v1(83,68) ; FU10.1 31.14,68.36 31,68.22 v1(31,68)
  Back w0.25: FJ6.2 29.5,60.5 29.5,66.5 v1(31,68) ; FJ6#2.2 81.5,60.5 81.5,66.5 v1(83,68)
Fcontrol.pd_int: length 58.6
  Front w0.25: FJ6#2.5 80,51 80,50 80.5,49.5 80.5,48.5 81,48 81,44.25 80,43.25 80,26 80.75,25.25 FU8#2.5 ; FU8.5 28.75,25.25 28,26 28,43.25 29,44.25 29,48 28.5,48.5 28.5,49.5 28,50 28,51 FJ6.5
Fcontrol.pwm: length 37.3
  Front w0.25: FU10#2.2 84.75,70 85.06,69.69 FQ3#2.1 ; FQ3#2.1 85.06,68.51 84.56,68 v1(84,68) ; FQ3#2.1 85,68.89 ; FQ3.1 33.06,68.51 32.56,68 v1(32,68) ; FQ3.1 33,68.89 ; FQ3.1 33.06,69.69 32.75,70 FU10.2
  Back w0.25: v1(32,68) 30,66 30,59 FJ6.3 ; FJ6#2.3 82,59 82,66 v1(84,68)
Fcontrol.spk: length 18.6
  Front w0.25: v1(31,60) 30.5,60 30.18,60.32 FR15.1 ; FR15#2.1 82.17,60.32 82.5,60 v1(83,60)
  Back w0.25: v1(31,60) 31,58 FJ6.4 ; v1(83,60) 83,58 FJ6#2.4
Fcontrol.tach: length 54.9
  Front w0.25: v1(99,72) 94,72 v1(93,73) ; v1(41,73) 42,72 v1(47,72)
  Back w0.25: FJ11#2.3 90.42,74 92,74 v1(93,73) ; v1(99,72) 100,71 100,69 101,68 101,62 100,61 100,59 FJ8.2 ; v1(47,72) 48,71 48,69 49,68 49,62 48,61 48,59 FJ8#2.2 ; v1(41,73) 40,74 38.42,74 FJ11.3
Fcontrol_control.als.ic.dvi: length 8.5
  Front w0.25: FU6#2.5 22.23,16 FC16#2.1 23,18 22.82,18.18 FR12.2 ; FR12#2.2 74.83,18.18 75,18 FC16.1 74.22,16 FU6.5
Fcontrol_control.drv: length 17.4
  Front w0.25: FU4#2.38 71.72,61.72 v1(71,61) ; v1(19,61) 19.72,61.72 FU4.38
  Back w0.25: v1(71,61) 71,60 FJ9.3 ; v1(19,61) 19,60 FJ9#2.3
Fcontrol_control.enc_a: length 15.3
  Front w0.25: FU4#2.33 71.63,55.37 v1(71,56) ; v1(19,56) 19.63,55.37 FU4.33
  Back w0.25: v1(19,56) FJ9#2.5 ; v1(71,56) FJ9.5
Fcontrol_control.enc_b: length 14.9
  Front w0.25: v1(19,54) 19.1,54.1 FU4.32 ; FU4#2.32 71.1,54.1 v1(71,54)
  Back w0.25: FJ9#2.6 v1(19,54) ; FJ9.6 v1(71,54)
Fcontrol_control.enc_sw: length 15.5
  Front w0.25: FU4#2.31 71.83,52.83 v1(71,52) ; FU4.31 19.83,52.83 v1(19,52)
  Back w0.25: v1(71,52) FJ9.7 ; v1(19,52) FJ9#2.7
Fcontrol_control.extra1: length 14.9
  Front w0.25: FU4.35 19.09,57.91 v1(19,58) ; FU4#2.35 71.09,57.91 v1(71,58)
  Back w0.25: FJ9#2.4 v1(19,58) ; FJ9.4 v1(71,58)
Fcontrol_control.gnd: length 99.9
  Front w0.25: FD6#2.2 56.57,31.77 56.64,31.75 58.13,32.61 FC20.2 ; FC21.2 58.13,39.39 56.64,40.25 56.62,40.32 FD7.2 ; FC21.2 58.75,39.55 ; FC21.2 59.86,39.28 v1(60.17,39.37) ; 6.3,33.23 FC20#2.2 ; FC20#2.2 7.09,34.06 v1(7.17,34.37) ; FC20#2.2 6.13,32.61 4.64,31.75 4.57,31.77 FD6.2 ; v1(8.17,39.37) 7.86,39.28 FC21#2.2 ; FC12.2 8.78,42.97 8.75,43 v1(8,43) ; FD9.2 19.43,40.23 19.36,40.25 17.87,39.39 FC23#2.2 ; FD4#2.2 71.38,31.68 71.36,31.75 69.87,32.61 FC18#2.2 ; FD7#2.2 4.62,40.32 4.64,40.25 6.13,39.39 FC21#2.2 ; FC18#2.2 68.14,32.72 v1(67.83,32.63) ; FC18#2.2 69.25,32.45 ; v1(63,31) 63.23,30.77 FC19#2.2 ; v1(68.83,37.63) 68.91,37.94 FC23.2 ; FC23#2.2 16.91,37.94 v1(16.83,37.63) ; FC23#2.2 17.7,38.77 ; FJ5#2.1 v1(17,24.5) ; FJ5.1 v1(69,24.5) ; FD8.2 64.05,44.55 64,44.5 64,42.78 FC22#2.2 ; FD8#2.2 12.05,44.55 12,44.5 12,42.78 FC22.2 ; FC19.2 11.22,30.77 v1(11,31) ; FC19.2 11.55,29.68 ; FC19.2 12,29.22 12,27.5 11.95,27.45 FD5#2.2 9.05,27.45 9,27.5 v1(9,30) ; FC21#2.2 6.75,39.55 ; FC11.2 53.77,64.78 v1(54,65) ; 74.78,34 75.14,34.36 FU7.1 ; 74.78,34 FC17#2.2 ; 74.78,34 v1(74,34) ; FC22.2 12.45,42.32 ; FC22.2 12.78,41.23 v1(13,41) ; FC22#2.2 64.45,42.32 ; FC22#2.2 64.78,41.23 v1(65,41) ; v1(56,21) 55.5,21 55.23,20.72 FC13.2 ; FC20.2 59.09,34.06 v1(59.17,34.37) ; FC20.2 58.3,33.23 ; 63.55,29.68 FC19#2.2 ; FC19#2.2 64,29.22 64,27.5 63.95,27.45 FD5.2 61.05,27.45 61,27.5 v1(61,30) ; FC18.2 16.14,32.72 v1(15.83,32.63) ; FC18.2 17.25,32.45 ; FC18.2 17.87,32.61 19.36,31.75 19.38,31.68 FD4.2 ; FC12#2.2 60.77,42.97 60.75,43 v1(60,43) ; v1(22,34) 22.77,34 ; 22.77,34 FC17.2 ; 22.77,34 23.14,34.36 FU7#2.1 ; FU5.12 v1(4,18.5) ; FU5#2.12 v1(56,18.5) ; v1(2,65) 1.77,64.78 FC11#2.2 ; FU5.6 v1(4,13.5) ; FC13#2.2 3.22,20.72 3.5,21 v1(4,21) ; FD9#2.2 71.43,40.23 71.36,40.25 69.87,39.39 FC23.2 ; 69.7,38.77 FC23.2 ; FU5#2.6 v1(56,13.5)